# Altium PCB ie-track-kit-arduino-1.PcbDoc (part 2 of 3)
Units mm, origin at the board's own origin, x right, y up, seen from the top; angles counter-clockwise.
Board outline 115 x 212.3 mm, 2 copper layers (Top Layer, Bottom Layer), stack 1.571 mm thick; 281 components, 210 nets, 1109 pads, 342 vias.
Unrouted connection lines stored in the file: 36.
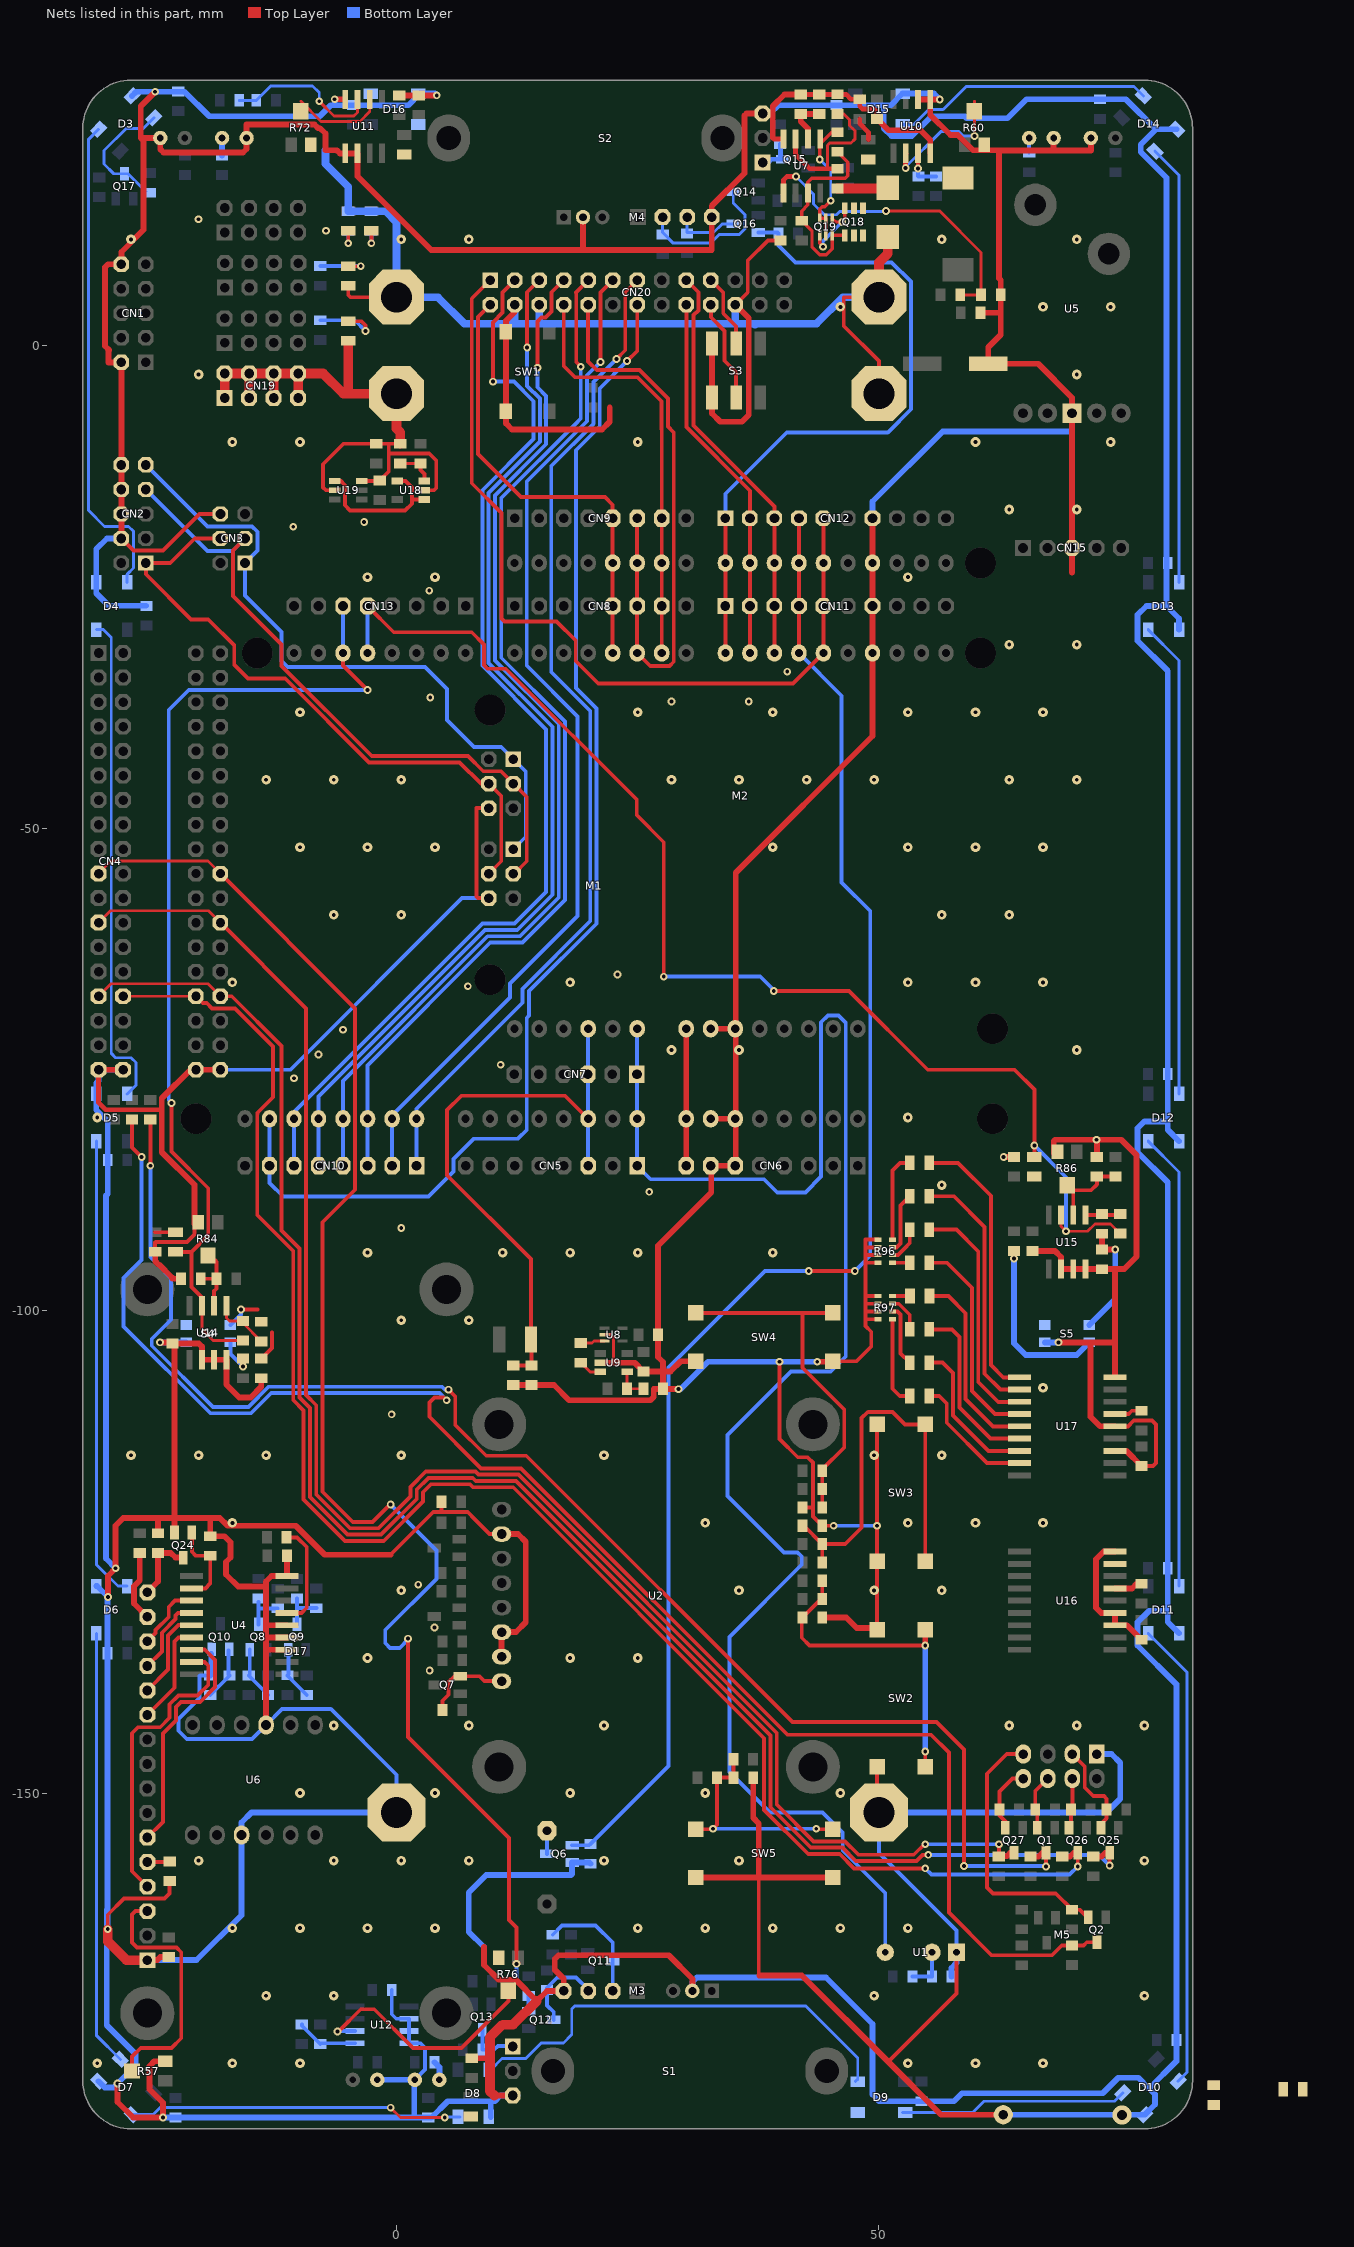
[diagram p2: the nets of this part, all layers, seen from the top]

## Via types
v1: diameter 0.8, hole 0.4, Top Layer to Bottom Layer, tented both sides, 219 vias
v2: diameter 1, hole 0.4, Top Layer to Bottom Layer, tented both sides, 123 vias

## Nets (pads, with @x,y where several pads share a name; then routed paths per layer and width w, separated by ;. In a path a pad name is that pad's centre, name@x,y a point inside that pad or via, vN(x,y) a via of type N, cw(c..) or ccw(c..) an arc to the next point about the centre after c; other vN are vias at no path point) (continued)
BUZZER: CN11.4 CN12.4 M1.D11 M2.D11 Q6.1 R15.1 | length 159.9
  Top Layer w0.4: M1.D11@41.709,-31.87 CN11.4@41.709,-27 M2.D11@41.709,-22.54 CN12.4@41.709,-17.9 ; v1(42.725,-95.9) v1(47.5,-95.9)
  Bottom Layer w0.4: Q6.1@18.2,-155.4 19.984,-155.4 R15.1@20.1,-155.284 28.2,-147.184 28.2,-105.9 38.2,-95.9 v1(42.725,-95.9) ; M1.D11@41.709,-31.87 46.135,-36.296 46.135,-55.635 49.1,-58.6 49.1,-94.3 v1(47.5,-95.9)
ECHO_F: CN11.1 CN12.1 M1.D8 M2.D8 Q16.2 R44.1 | length 71.2
  Top Layer w0.4: M1.D8@34.089,-31.87 CN11.1@34.089,-27 M2.D8@34.089,-22.54 CN12.1@34.089,-17.9
  Bottom Layer w0.4: CN12.1@34.089,-17.9 34.089,-15.357 40.446,-9 50.917,-9 53.304,-6.613 53.304,6.613 51.317,8.6 41.35,8.6 39.584,10.366 R44.1@39.584,11.6 39.484,11.7 Q16.2@37.5,11.7
ECHO_R: CN4.19 M1.D38 Q12.2 R38.1 | length 159.3
  Top Layer w0.3: CN4.19@-30.864,-54.73 -29.566,-53.432 -19.533,-53.432 M1.D38@-18.235,-54.73
  Top Layer w0.4: M1.D38@-18.235,-54.73 -4.281,-68.684 -4.281,-87.481 -7.646,-90.846 -7.646,-109.531 -7.654,-109.539 -7.654,-118.779 -4.525,-121.908 -2.484,-121.908 -0.676,-120.1 v1(-0.6,-120.1) ; v1(1.2,-134) 1.2,-144.2 11.654,-154.654 11.654,-163.166 12.432,-163.945 v1(12.432,-167.7)
  Bottom Layer w0.4: v1(-0.6,-120.1) 4.146,-124.846 4.146,-127.802 -1.154,-133.102 -1.154,-134.454 -0.654,-134.954 0.346,-134.954 1.2,-134.1 v1(1.2,-134) ; v1(12.432,-167.7) 12.432,-169.532 13.7,-170.8 R38.1@13.7,-171.016 Q12.2@13.7,-172.6
EN_LEFT: CN11.3 CN12.3 CN20.17 M1.D10 M2.D10 | length 42.8
  Top Layer w0.4: CN20.17@30.04,6.77 31.294,5.516 31.294,3.642 30.8,3.148 30.8,-8.3 39.169,-16.669 CN12.3@39.169,-17.9 M2.D10@39.169,-22.54 CN11.3@39.169,-27 M1.D10@39.169,-31.87
EN_RIGHT: CN11.2 CN12.2 CN20.18 M1.D9 M2.D9 | length 38.8
  Top Layer w0.4: CN20.18@30.04,4.23 30.04,-8.465 36.629,-15.054 CN12.2@36.629,-17.9 M2.D9@36.629,-22.54 CN11.2@36.629,-27 M1.D9@36.629,-31.87
ENC_LEFT_TRACK: CN13.6 D29.2 M1.D19 R101.2 U14.7 | length 104.6
  Top Layer w0.3: U14.7@-20.162,-99.506 -20.162,-101.938 -18.984,-103.116 R101.2@-15.9,-103.116
  Top Layer w0.4: v1(-23.3,-78.5) -23.3,-83.534 -19.5,-87.334 -19.5,-92.17 -21.246,-93.916 ; -22.9,-93.916 -21.246,-93.916 ; U14.7@-20.162,-99.506 -20.162,-98.638 -21.246,-97.554 -21.246,-93.916 ; M1.D19@-5.535,-31.87 -5.535,-33.161 v1(-3,-35.696)
  Bottom Layer w0.4: v1(-23.3,-78.5) -23.6,-78.2 -23.6,-72.375 -23.6,-37.771 -21.525,-35.696 v1(-3,-35.696) ; M1.D19@-5.535,-31.87 CN13.6@-5.535,-27
ENC_RIGHT_TRACK: CN13.5 D30.2 M1.D18 R113.2 U15.7 | length 130.5
  Top Layer w0.3: U15.7@68.865,-90.106 68.865,-91.265 v1(69.384,-91.784) 71.616,-91.784 72.378,-91.022 74.006,-91.022 R113.2@75,-92.016
  Top Layer w0.4: CN13.5@-2.995,-27 -0.279,-29.716 7.809,-29.716 9.073,-30.98 9.073,-33.113 9.452,-33.492 11.325,-33.492 24.908,-47.075 24.908,-48.684 27.7,-51.476 v1(27.7,-65.4) ; v1(39.1,-66.9) 46.9,-66.9 55.05,-75.05 64.05,-75.05 66.1,-77.1 v1(66.1,-82.9) 66.1,-84.084
  Bottom Layer w0.4: M1.D18@-2.995,-31.87 CN13.5@-2.995,-27 ; v1(27.7,-65.4) 37.7,-65.4 v1@39.1,-66.8 ; v1(66.1,-82.9) 69.384,-86.184 v1(69.384,-91.784)
FB_3V3: R61.1 R65.1 U7.5 | length 32.7
  Top Layer w0.3: v1(50.725,13.925) 56.308,13.925 60.584,9.649 R65.1@60.584,5.25 R61.1@58.416,5.25
  Top Layer w0.5: U7.5@40.095,15.806 40.095,17.145 40.45,17.5 v1(41.4,17.5)
  Bottom Layer w0.3: v1(41.4,17.5) 43.223,15.677 43.223,14.668 44.349,13.542 45.61,13.542 45.968,13.9 v1@50.7,13.9
GND: C2.1 C3.1 C4.2 C6.2 C7.1 C8.2 C9.1 C10.2 C11.1 C12.2 C13.1 C14.2 C15.1 C16.1 C17.2 C18.1 C19.2 C20.1 C21.1 C22.1 C23.2 C24.2 C25.1 C26.1 C27.1 C28.1 C29.1 C30.2 C31.2 C32.2 C34.2 C35.1 C36.1 C37.1 C38.1 C39.1 C40.1 C41.2 C42.2 CN1.2 CN1.10 CN2.4 CN2.6 CN2.8 CN2.10 CN3.6 CN4.35 CN4.36 CN6.6 CN6.7 CN11.7 CN12.7 CN15.3 CN19.1 CN19.2 CN19.3 CN19.4 CN19.5 CN19.6 CN19.7 CN19.8 CN20.4 CN20.6 CN20.22 D3.3 D4.3 D5.3 D6.3 D7.3 D8.3 D9.3 D10.3 D11.3 D12.3 D13.3 D14.3 D15.3 D16.3 D17.1 D19.1 D20.2 D22.2 D24.2 D27.2 D28.2 D100AA.2 M1.GND M1.P6 M1.P7 M1.PROG6 M2.GND M2.P6 M2.P7 M2.PROG6 M3.6 M4.6 M5.1 M5.9 M5.10 MH1.1 MH2.1 MH3.1 MH4.1 MH5.1 MH6.1 Q6.2 Q10.2 Q21.1 Q22.1 Q23.1 Q24.2 R15.2 R33.2 R49.1 R51.1 R52.1 R55.2 R56.2 R57.2 R60.2 R64.2 R65.2 R66.2 R68.2 R72.2 R76.2 R82.2 R83.2 R84.2 R86.2 R89.2 R91.2 R96.1 R96.2 R96.3 R96.4 R97.1 R97.2 R97.3 R97.4 R105.2 S1.3 S2.3 S3.3 S3.6 S4.4 S5.4 SW1.1 SW2.2 SW3.2 SW4.2 SW5.2 U1.1 U2.2 U2.6 U2.7 U4.3 U4.4 U4.5 U4.9 U5.1 U6.4 U7.4 U8.2 U9.2 U10.4 U10.5 U10.6 U11.4 U11.5 U11.6 U12.2 U12.3 U12.4 U14.2 U14.3 U14.4 U15.2 U15.3 U15.4 U16.3 U16.4 U16.9 U17.3 U17.5 U17.9 U18.2 U19.2 U19.6 | length 1997.2
  Top Layer w0.3: U8.2@21.575,-102.5 22.171,-102.5 22.5,-102.829 22.5,-105.4
  Top Layer w0.4: v1(-29.912,-164.1) -29.912,-162.612 -28.24,-160.94 -24.04,-160.94 -23.5,-160.4 R52.1@-23.5,-159.119 ; CN2.4@-28.5,-20 -27.246,-21.254 -24.184,-21.254 -20.39,-17.46 CN3.6@-18.235,-17.46 ; -25,-93.916 -25,-92.963 -24.937,-92.9 -21.7,-92.9 -20.924,-92.124 R84.2@-20.924,-91.022 ; U19.2@-6.4,-15 -7.3,-15 -7.6,-14.7 -7.6,-12.3 -5.484,-10.184 C42.2@-2.1,-10.184 R105.2@0.4,-10.184 ; D28.2@-5,6.184 -5,5.223 -4.777,5 MH6.1@0,5 ; U19.6@-3.6,-14.05 -1.807,-14.05 C41.2@-1.741,-13.984 -0.8,-13.043 -0.8,-11.2 ; -0.8,-10.325 -0.8,-11.2 ; -0.6,-125.3 3.811,-120.889 4.5,-120.889 ; U18.2@2.9,-15 3.9,-15 4.13,-14.77 4.13,-11.93 3.4,-11.2 -0.8,-11.2 ; C16.1@4.684,-119.8 4.684,-120.705 4.5,-120.889 ; M1.PROG6@9.578,-57.27 8.45,-57.27 8.3,-57.12 8.3,-47.94 M2.PROG6@9.578,-47.94 ; U2.2@10.9,-123.16 9.652,-123.16 8.146,-121.654 8.146,-121.645 7.39,-120.889 4.5,-120.889 ; CN20.22@35.12,4.23 36.4,5.51 36.4,8.8 38.484,10.884 C26.1@39.8,10.884 ; 37.546,-158.75 37.546,-168.846 37.6,-168.9 ; v1(39.7,-105.3) 39.7,-113.315 41.585,-115.2 42.6,-115.2 43.154,-115.754 43.154,-120.4 ; C39.1@42.084,-120.4 43.154,-120.4 ; SW4.2@45.2,-105.25 47.662,-105.25 49.2,-103.712 49.2,-102.2 48.6,-101.6 48.6,-100.9 ; v1(45.3,-122.3) C37.1@44.116,-122.3 43.154,-121.338 43.154,-120.4 ; 48.654,-95.046 49.894,-95.046 R96.4@49.898,-95.05 ; SW3.2@49.754,-111.744 SW3.2@49.8,-111.79 SW2.2@49.8,-133.09 ; SW2.2@49.8,-147.29 49.8,-151.8 MH2.1@50,-152 ; R97.4@49.898,-100.9 48.6,-100.9 ; R97.3@49.898,-100.1 48.6,-100.1 ; R97.2@49.898,-99.3 48.6,-99.3 ; R97.1@49.898,-98.5 48.6,-98.5 ; R96.3@49.898,-94.25 48.6,-94.25 ; R96.2@49.898,-93.45 48.6,-93.45 ; R96.1@49.898,-92.65 48.6,-92.65 48.6,-93.45 ; MH3.1@50,-5 50,-1.616 46.35,2.034 46.35,5 MH4.1@50,5 ; 50.95,-177.85 58.04,-170.76 U1.1@58.04,-166.5 ; U17.5@74.453,-112 75.8,-112 76.4,-111.4 78.3,-111.4 78.7,-111.8 78.7,-115.8 78.384,-116.116 C35.1@77.2,-116.116 ; 48.6,-100.9 48.6,-100.1 ; 48.6,-100.1 48.6,-99.3 ; 48.6,-99.3 48.6,-98.5 ; 48.6,-98.5 48.6,-94.25 ; 48.6,-94.25 48.6,-93.45
  Top Layer w0.5: CN4.35@-30.864,-75.05 -30.864,-78.476 -30.144,-79.196 -29.904,-79.196 -29.9,-79.2 -24.311,-79.2 ; 39,21.525 39.131,21.394 U7.4@40.095,21.394 ; R64.2@41.9,26.016 C28.1@43.8,26.016 46.593,26.016 47.093,25.516 48,25.516 48,24.8 48.3,24.5 49.5,24.5 49.8,24.2 C30.2@49.8,23.484
  Top Layer w0.6: CN4.35@-30.864,-75.05 CN4.36@-28.324,-75.05 ; v1(-29.9,-129.686) -29.9,-127.5 v1(-29.1,-126.7) -29.1,-122.3 -28.3,-121.5 -24.8,-121.5 ; v1(-28.9,-180.1) -28.9,-182 -27.284,-183.616 v1(-24.2,-183.616) -24.2,-182.1 -25.6,-180.7 -25.6,-178.3 -25.1,-177.8 R57.2@-23.95,-177.8 ; CN2.4@-28.5,-20 CN2.6@-28.5,-17.46 CN2.8@-28.5,-14.92 CN2.10@-28.5,-12.38 -28.5,-1.766 CN1.2@-28.516,-1.75 ; CN1.2@-28.5,-1.75 CN1.2@-28.516,-1.75 ; D17.1@-25.816,-167.306 -24.776,-167.306 -24.47,-167 C21.1@-23.6,-167 ; -25,-93.916 -25,-94.9 -24.648,-95.252 -24.587,-95.252 -23.262,-96.577 -23.262,-96.638 -23.2,-96.7 R89.2@-22.316,-96.7 ; v1(-25,26.3) -26.5,24.8 -26.5,21.5 ; R55.2@-24.7,-123.084 -24.7,-121.6 -24.8,-121.5 ; v1(-24.5,-103.3) -23.316,-103.3 C23.2@-23.2,-103.416 ; Q24.2@-23,-123 -23,-121.5 ; R84.2@-20.924,-91.022 -20.924,-86.976 -24.311,-83.589 -24.311,-79.2 -24.311,-78.011 -21.35,-75.05 M1.GND@-20.775,-75.05 M1.GND@-18.235,-75.05 ; R49.1@-14,-107.016 -14,-107.9 -15.102,-109.002 -16.298,-109.002 -17.622,-107.678 U14.4@-17.622,-105.094 U14.3@-18.892,-105.094 U14.2@-20.162,-105.094 -20.162,-103.738 -20.484,-103.416 C23.2@-23.2,-103.416 ; U6.4@-13.511,-142.941 -13.511,-135.2 ; U4.3@-11.347,-135.14 -13.451,-135.14 -13.511,-135.2 ; U4.4@-11.347,-133.87 -13.511,-133.87 ; U4.5@-11.347,-132.6 -13.511,-132.6 ; C22.1@-11.347,-125.4 U4.9@-11.347,-127.52 -12.952,-127.52 -13.511,-128.079 -13.511,-128.7 ; v1(-6.4,25.516) -5.327,25.516 U11.4@-5.305,25.494 ; -0.6,-125.3 -7.434,-125.3 -10.423,-122.311 -17.489,-122.311 -18.3,-121.5 -19.3,-121.5 ; C31.2@0.3,25.916 2.3,25.916 v1(4.184,25.916) ; 7.8,-177.484 9.7,-177.484 ; 9.06,-165.96 9.06,-166.46 9.06,-167.809 10.605,-169.354 12.354,-169.354 14.55,-171.55 15.6,-170.5 M3.6@17.333,-170.5 17.333,-169.233 16.4,-168.3 16.4,-167.2 16.8,-166.8 28.206,-166.8 30.668,-169.261 M3.6@30.668,-170.5 ; 10.14,-181.34 S1.3@12.054,-181.34 ; U2.7@10.9,-135.86 U2.6@10.9,-133.32 12.38,-133.32 13.4,-132.3 13.4,-123.96 12.6,-123.16 U2.2@10.9,-123.16 ; R66.2@12.1,-107.716 C3.1@14,-107.716 16.316,-107.716 17.889,-109.289 26.337,-109.289 26.662,-108.964 26.662,-108.144 R68.2@27.588,-108.144 ; CN20.4@12.26,4.23 12.26,3.481 11.35,2.571 SW1.1@11.35,1.425 SW1.1@11.35,-6.825 11.35,-8.07 11.98,-8.7 21.3,-8.7 22.1,-7.9 22.1,-6.416 ; M4.6@19.333,13.3 19.333,9.9 ; U9.2@21.1,-105.4 22.5,-105.4 24.684,-105.4 C29.1@25.6,-106.316 27.632,-106.316 ; v1(29.222,-108.144) R68.2@27.588,-108.144 ; SW5.2@31,-158.75 37.546,-158.75 ; SW4.2@31,-105.25 29.45,-105.25 28.384,-106.316 27.632,-106.316 ; M1.P7@32.565,-80.13 M1.P6@35.105,-80.13 M1.P6@35.16,-80.13 ; M2.P7@32.565,-70.8 M2.P6@35.105,-70.8 M2.P6@35.16,-70.8 ; S3.6@32.7,0.2 S3.3@32.7,-5.4 32.7,-7.055 33.545,-7.9 35.8,-7.9 36.5,-7.2 36.5,2.85 CN20.22@35.12,4.23 ; C38.1@36.97,-148.4 36.97,-152.57 37.546,-153.146 37.546,-158.75 ; 37.6,-168.9 42,-168.9 50.95,-177.85 56.435,-183.335 M5.9@62.88,-183.335 ; 39,21.525 39,24.1 ; R64.2@41.9,26.016 40.216,26.016 39,24.8 39,24.1 ; v1(43.6,-105.3) 45.15,-105.3 SW4.2@45.2,-105.25 ; C36.1@44.116,-131.8 46.6,-131.8 47.7,-132.9 49.61,-132.9 SW2.2@49.8,-133.09 ; SW5.2@45.2,-158.75 37.546,-158.75 ; CN12.7@49.329,-17.9 M2.GND@49.329,-22.54 CN11.7@49.329,-27 M1.GND@49.329,-31.87 49.329,-40.471 35.16,-54.64 M2.P6@35.16,-70.8 ; SW3.2@49.69,-126.1 SW3.2@49.8,-125.99 ; C30.2@49.8,23.484 50.984,22.3 54.3,22.3 55.305,21.295 U10.4@55.305,19.906 ; U10.6@54.035,25.494 U10.5@55.305,25.494 ; v1(56.294,25.494) U10.5@55.305,25.494 ; C25.1@60.516,3.4 62.546,3.4 62.616,3.33 ; C34.2@65.9,-93.816 68.216,-93.816 68.865,-94.465 U15.2@68.865,-95.694 U15.3@70.135,-95.694 U15.4@71.405,-95.694 74.3,-95.694 ; D20.2@68.1,21.5 68.1,20.196 ; R86.2@68.103,-83.722 68.103,-82.429 68.232,-82.3 v1(72.55,-82.3) ; v1(68.6,-103.3) 71.916,-103.3 ; 70.01,-23.52 CN15.3@70.01,-20.98 U5.1@70.01,-7.01 70.01,-5.41 66.5,-1.9 C24.2@61.329,-1.9 61.329,-0.171 62.616,1.116 62.616,3.33 ; Q21.1@71.96,21.5 71.96,20.196 68.1,20.196 ; R91.2@72.58,-84.084 72.58,-82.33 v1(72.55,-82.3) ; U16.9@74.453,-124.98 73.29,-124.98 72.5,-125.77 72.5,-130.8 73.03,-131.33 U16.4@74.453,-131.33 U16.3@74.453,-132.6 75.694,-132.6 C40.1@77.2,-134.106 ; U17.3@74.453,-114.54 75.624,-114.54 C35.1@77.2,-116.116 ; U17.5@74.453,-112 72.9,-112 71.916,-111.016 71.916,-103.3 ; U17.9@74.453,-106.92 74.453,-103.368 ; CN1.2@-28.516,-1.75 -29.85,-1.75 -29.85,-0.584 -29.766,-0.5 -30.2,-0.066 -30.2,8.1 -29.89,8.41 CN1.10@-28.5,8.41 -28.5,9.7 -26.2,12 -26.2,21.2 -26.5,21.5 ; -26.5,21.5 Q22.1@-24.47,21.5 -24.47,20.338 -24.132,20 -15.9,20 -15.53,20.37 D22.2@-15.53,21.5 -15.53,22.9 -8.483,22.9 -8.1,22.517 -7.917,22.517 -7.36,21.96 -7.36,20.233 -6.184,20.233 -5.857,19.906 U11.5@-5.305,19.906 U11.6@-4.035,19.906 -4.035,17.535 3.6,9.9 19.333,9.9 ; -24.8,-121.5 -23,-121.5 ; C23.2@-23.2,-103.416 -23,-103.616 -23,-121.5 ; -23,-121.5 -19.3,-121.5 ; -19.3,-121.5 R56.2@-19.3,-123.384 -17.816,-123.384 -17.2,-124 -17.2,-125.601 -17.654,-126.055 -17.654,-127.346 -16.4,-128.6 -13.611,-128.6 -13.511,-128.7 ; -13.511,-135.2 -13.511,-133.87 ; -13.511,-133.87 -13.511,-132.6 ; -13.511,-132.6 -13.511,-128.7 ; 19.333,9.9 32.668,9.9 M4.6@32.668,13.3 32.668,14.467 36.054,17.854 36.054,23.827 36.267,24.04 S2.3@37.946,24.04 38.94,24.04 39,24.1 ; R68.2@27.588,-108.144 R68.2@27.632,-108.1 27.632,-106.316 ; 27.632,-106.316 27.632,-105.332 27.116,-104.816 C4.2@27.116,-102.5 27.116,-93.284 32.62,-87.78 32.62,-85 CN6.6@35.105,-85 35.16,-85 M1.P6@35.16,-80.13 ; M1.P6@35.16,-80.13 M2.P6@35.16,-70.8 ; U10.5@55.305,25.494 55.305,23.895 57.4,21.8 58.172,21.8 59.739,20.233 62.435,20.233 62.435,20.196 ; 62.435,20.196 68.1,20.196 ; 62.435,20.196 62.435,6.965 62.616,6.784 R65.2@62.616,5.25 62.616,3.33 ; 71.916,-103.3 74.385,-103.3 74.453,-103.368 ; v1(72.55,-82.3) 75.1,-82.3 76.7,-83.9 76.7,-94.4 75.406,-95.694 74.3,-95.694 ; 74.3,-95.694 74.453,-95.847 74.453,-103.368
  Top Layer w1: v1(-29.912,-164.1) -29.912,-165.388 -27.994,-167.306 D17.1@-25.816,-167.306 ; CN19.1@-17.8,-5.44 CN19.2@-17.8,-2.9 CN19.4@-15.26,-2.9 ; CN19.3@-15.26,-5.44 CN19.4@-15.26,-2.9 ; CN19.5@-12.72,-5.44 CN19.6@-12.72,-2.9 ; CN19.7@-10.18,-5.44 CN19.8@-10.18,-2.9 ; D27.2@-5,0.484 -5,-4.5 -5.5,-5 ; R105.2@0.4,-10.184 0.4,-9 0,-8.6 MH5.1@0,-5 -5.5,-5 ; 10.14,-181.34 9.7,-180.9 9.7,-177.484 9.7,-175.3 11,-174 12.1,-174 14.55,-171.55 ; MH4.1@50,5 50,8.6 50.9,9.5 D19.1@50.9,11.26 ; CN19.4@-15.26,-2.9 CN19.6@-12.72,-2.9 ; CN19.6@-12.72,-2.9 CN19.8@-10.18,-2.9 ; CN19.8@-10.18,-2.9 -7.6,-2.9 -5.5,-5
  Bottom Layer w0.4: R33.2@-19.3,-137.809 -20.316,-137.809 -20.389,-137.882 -20.389,-140.143 -22.585,-142.338 -22.585,-143.543 -21.733,-144.395 -21.505,-144.395 -21.5,-144.4 -14.97,-144.4 U6.4@-13.511,-142.941 -13.491,-142.941 -11.85,-141.3 -6.8,-141.3 0,-148.1 MH1.1@0,-152 ; M1.GND@-18.235,-75.05 -10.98,-75.05 6.8,-57.27 M1.PROG6@9.578,-57.27 ; C32.2@-0.484,-170.4 -0.484,-172.916 -0.02,-173.38 U12.2@1.294,-173.38 U12.3@1.294,-174.65 U12.4@1.294,-175.92 2.489,-175.92 2.97,-176.401 2.97,-178.652 D24.2@1.907,-179.715 ; v1(45.3,-122.3) v1(49.8,-122.3) ; MH2.1@50,-152 50,-156.2 58.04,-164.24 U1.1@58.04,-166.5
  Bottom Layer w0.6: D6.3@-31.1,-128.55 -31.036,-128.55 v1(-29.9,-129.686) ; D7.3@-30.864,-179.861 -30.225,-180.5 -29.3,-180.5 v1(-28.9,-180.1) -27.016,-178.216 -27.016,-177.068 -30.024,-174.06 -30.024,-162.092 -29.932,-162 ; v1@-29.932,-129.718 C9.1@-29.932,-135.5 -29.932,-162 ; v1(-29.912,-164.1) -29.912,-162.02 -29.932,-162 ; v1(-29.1,-126.7) -30.1,-125.7 -30.1,-88.084 -29.916,-87.9 C8.2@-29.916,-84.4 -29.916,-80.414 -31.1,-79.23 D5.3@-31.1,-77.55 -31.1,-76.436 -30.864,-76.2 CN4.35@-30.864,-75.05 CN4.36@-28.324,-75.05 ; CN2.4@-28.5,-20 -30,-20 -31.1,-21.1 D4.3@-31.1,-24.55 -31.1,-25.668 -29.8,-26.968 C7.1@-25.96,-26.968 ; D3.3@-27.399,25.864 -26.963,26.3 v1(-25,26.3) -21.949,26.3 -19.403,23.754 -7.946,23.754 -6.8,24.9 -6.4,24.9 ; D17.1@-25.816,-167.306 -20.706,-167.306 -16.051,-162.651 U6.4@-16.051,-154.341 -16.051,-153.051 -15,-152 MH1.1@0,-152 ; v1(-24.5,-103.3) S4.4@-21.8,-103.3 ; v1(-24.2,-183.616) C10.2@-22.9,-183.616 C11.1@3.3,-183.616 3.631,-183.616 5.315,-181.932 9.9,-181.932 ; R33.2@-19.3,-137.809 -19.2,-137.709 Q10.2@-19.2,-135.6 ; v1(-6.4,25.516) -6.4,24.9 ; Q23.1@-1.979,-179.715 D24.2@1.907,-179.715 1.846,-179.776 1.846,-183.6 ; v1(4.184,25.916) 4,26.1 2.45,26.1 1.25,24.9 -6.4,24.9 ; 9.06,-165.96 7.5,-164.4 7.5,-160.3 9.3,-158.5 18.1,-158.5 18.2,-158.4 Q6.2@18.2,-157.2 19.984,-157.2 R15.2@20.1,-157.316 ; D8.3@9.781,-183.562 9.781,-182.051 9.9,-181.932 ; S1.3@12.554,-181.34 S1.3@12.054,-181.34 10.768,-181.34 10.176,-181.932 9.9,-181.932 ; v1(29.222,-108.144) 29.443,-108.144 32.288,-105.3 v1(39.7,-105.3) v1(43.6,-105.3) ; M3.6@30.668,-170.5 30.668,-169.566 31.134,-169.1 44.5,-169.1 49.329,-173.929 49.329,-181.229 50.032,-181.932 C12.2@54.409,-181.932 57.768,-181.932 58.6,-181.1 73.2,-181.1 74.8,-179.5 76.884,-179.5 77.992,-180.608 ; S2.3@37.446,24.04 S2.3@37.946,24.04 38.709,24.04 39.569,24.9 50.5,24.9 ; CN12.7@49.329,-17.9 49.329,-16.171 56.6,-8.9 69.8,-8.9 70.01,-8.69 U5.1@70.01,-7.01 ; MH2.1@50,-152 73.6,-152 75,-150.6 75,-146.86 74.1,-145.96 M5.1@72.58,-145.96 ; v1(56.294,25.494) 55.688,26.1 D15.3@52.45,26.1 51.25,24.9 50.5,24.9 ; C2.1@57.516,-169 57.516,-168.113 58.04,-167.589 U1.1@58.04,-166.5 ; M5.9@62.88,-183.335 62.889,-183.326 D10.3@77.535,-183.326 78.596,-182.265 78.596,-181.212 77.992,-180.608 ; S5.4@67.2,-103.3 v1(68.6,-103.3) ; D14.3@80.864,22.399 78.701,22.399 ; D11.3@81.1,-133.45 79.916,-132.266 79.916,-131.1 ; D12.3@81.1,-82.45 79.916,-81.266 79.916,-80.4 ; D13.3@81.1,-29.45 81.1,-28.284 79.8,-26.984 ; 50.5,24.9 50.5,22.5 51.3,21.7 53.4,21.7 55.449,23.749 58.898,23.749 59.092,23.554 63.314,23.554 65.276,25.516 C18.1@72.9,25.516 75.584,25.516 78.701,22.399 ; 77.992,-180.608 80.816,-177.784 C13.1@80.816,-175.6 80.816,-138.716 76.796,-134.696 76.796,-132.304 78,-131.1 79.916,-131.1 ; 78.701,22.399 77.128,20.826 77.128,20.048 79.8,17.376 79.8,-26.984 ; 79.8,-26.984 77.716,-26.984 76.796,-27.904 76.796,-30.596 79.916,-33.716 C15.1@79.916,-75.5 79.916,-80.4 ; 79.916,-131.1 C14.2@79.916,-126.7 79.916,-86.716 76.796,-83.596 76.796,-81.104 77.5,-80.4 79.916,-80.4
  Bottom Layer w0.8: -7.36,20.233 -7.36,18.82 -5,16.46 R83.2@-5,13.916 R82.2@-2.6,13.916 -1.116,13.916 0,12.8 MH6.1@0,5 4.3,5 7.05,2.25 12.25,2.25 12.26,2.24 12.26,2.25 ; CN20.4@12.26,4.23 12.26,2.25 ; CN20.6@14.8,4.23 14.8,2.3 14.75,2.25 ; CN20.22@35.12,4.23 35.12,2.25 ; 37.155,2.155 37.25,2.25 ; MH4.1@50,5 46.27,5 43.52,2.25 37.25,2.25 ; 12.26,2.25 14.75,2.25 ; 14.75,2.25 35.12,2.25 ; 35.12,2.25 37.25,2.25
  other v1: 3.437,-137.3 3.955,-132.85 2.266,-128.4 -0.5,-110.757 0.5,-91.44 26.2,-87.7 -10.615,-75.936 10.8,-74.525 -8.075,-73.469 -5.535,-70.9 7.4,-66.4 22.9,-65.171 28.5,-36.9 36.5,-36.9 3.5,-36.479 40.5,-33.8 3.4,-25.4 -10.7,-18.787 -3.35,-18.3 -7.3,11.884 -20.5,13.084
  other v2: -31,-178 -17,-178 -10,-178 53,-178 60,-178 67,-178 -13.5,-171 -6.5,-171 49.5,-171 77.5,-171 -17,-164 -10,-164 -3,-164 4,-164 25,-164 32,-164 39,-164 46,-164 53,-164 -20.5,-157 -6.5,-157 0.5,-157 7.5,-157 21.5,-157 35.5,-157 77.5,-157 -10,-150 4,-150 18,-150 32,-150 46,-150 -6.5,-143 7.5,-143 21.5,-143 63.5,-143 70.5,-143 77.5,-143 -3,-136 18,-136 25,-136 0.5,-129 35.5,-129 49.5,-129 56.5,-129 -17,-122 32,-122 53,-122 60,-122 67,-122 -27.5,-115 -20.5,-115 -13.5,-115 0.5,-115 21.5,-115 49.5,-115 56.5,-115 67,-108 0.5,-101 7.5,-101 -3,-94 11,-94 18,-94 25,-94 39,-94 56.5,-87 -31,-80 53,-80 28.5,-73 35.5,-73 70.5,-73 -17,-66 18,-66 53,-66 60,-66 67,-66 -6.5,-59 0.5,-59 56.5,-59 63.5,-59 -10,-52 -3,-52 4,-52 39,-52 53,-52 60,-52 67,-52 -13.5,-45 -6.5,-45 0.5,-45 28.5,-45 35.5,-45 42.5,-45 49.5,-45 63.5,-45 70.5,-45 -10,-38 25,-38 39,-38 53,-38 60,-38 67,-38 63.5,-31 70.5,-31 -3,-24 4,-24 53,-24 63.5,-17 70.5,-17 -17,-10 -10,-10 25,-10 60,-10 74,-10 -20.5,-3 70.5,-3 46,4 67,4 74,4 -27.5,11 0.5,11 7.5,11 56.5,11 70.5,11
IR_IN: CN5.1 CN7.1 M1.A0 M2.A0 U1.3 | length 175
  Bottom Layer w0.4: M2.A0@24.945,-70.8 M1.A0@24.945,-80.13 CN5.1@24.945,-85 26.345,-86.4 38.1,-86.4 39.454,-87.754 42.371,-87.754 44.011,-86.114 44.011,-70.126 44.718,-69.419 45.819,-69.419 46.551,-70.151 46.551,-83.912 46.551,-98.064 46.554,-98.067 46.554,-104.746 45,-106.3 40.9,-106.3 34.3,-112.9 34.3,-119.2 40.154,-125.054 41.554,-125.054 42,-125.5 42,-126.309 34.5,-133.809 34.5,-147.8 38.7,-152 44.15,-152 46.25,-154.1 46.25,-155.95 50.648,-160.348 U1.3@50.648,-166.5
LD1: CN10.1 CN20.13 M1.A8 | length 104.6
  Top Layer w0.4: v1(22.8,-1.4) 23.706,-0.494 23.706,5.516 CN20.13@24.96,6.77